# Allegro board RK_EXCAVATOR_MAIN_V12_20161114_FZBFINAL.brd (continued)
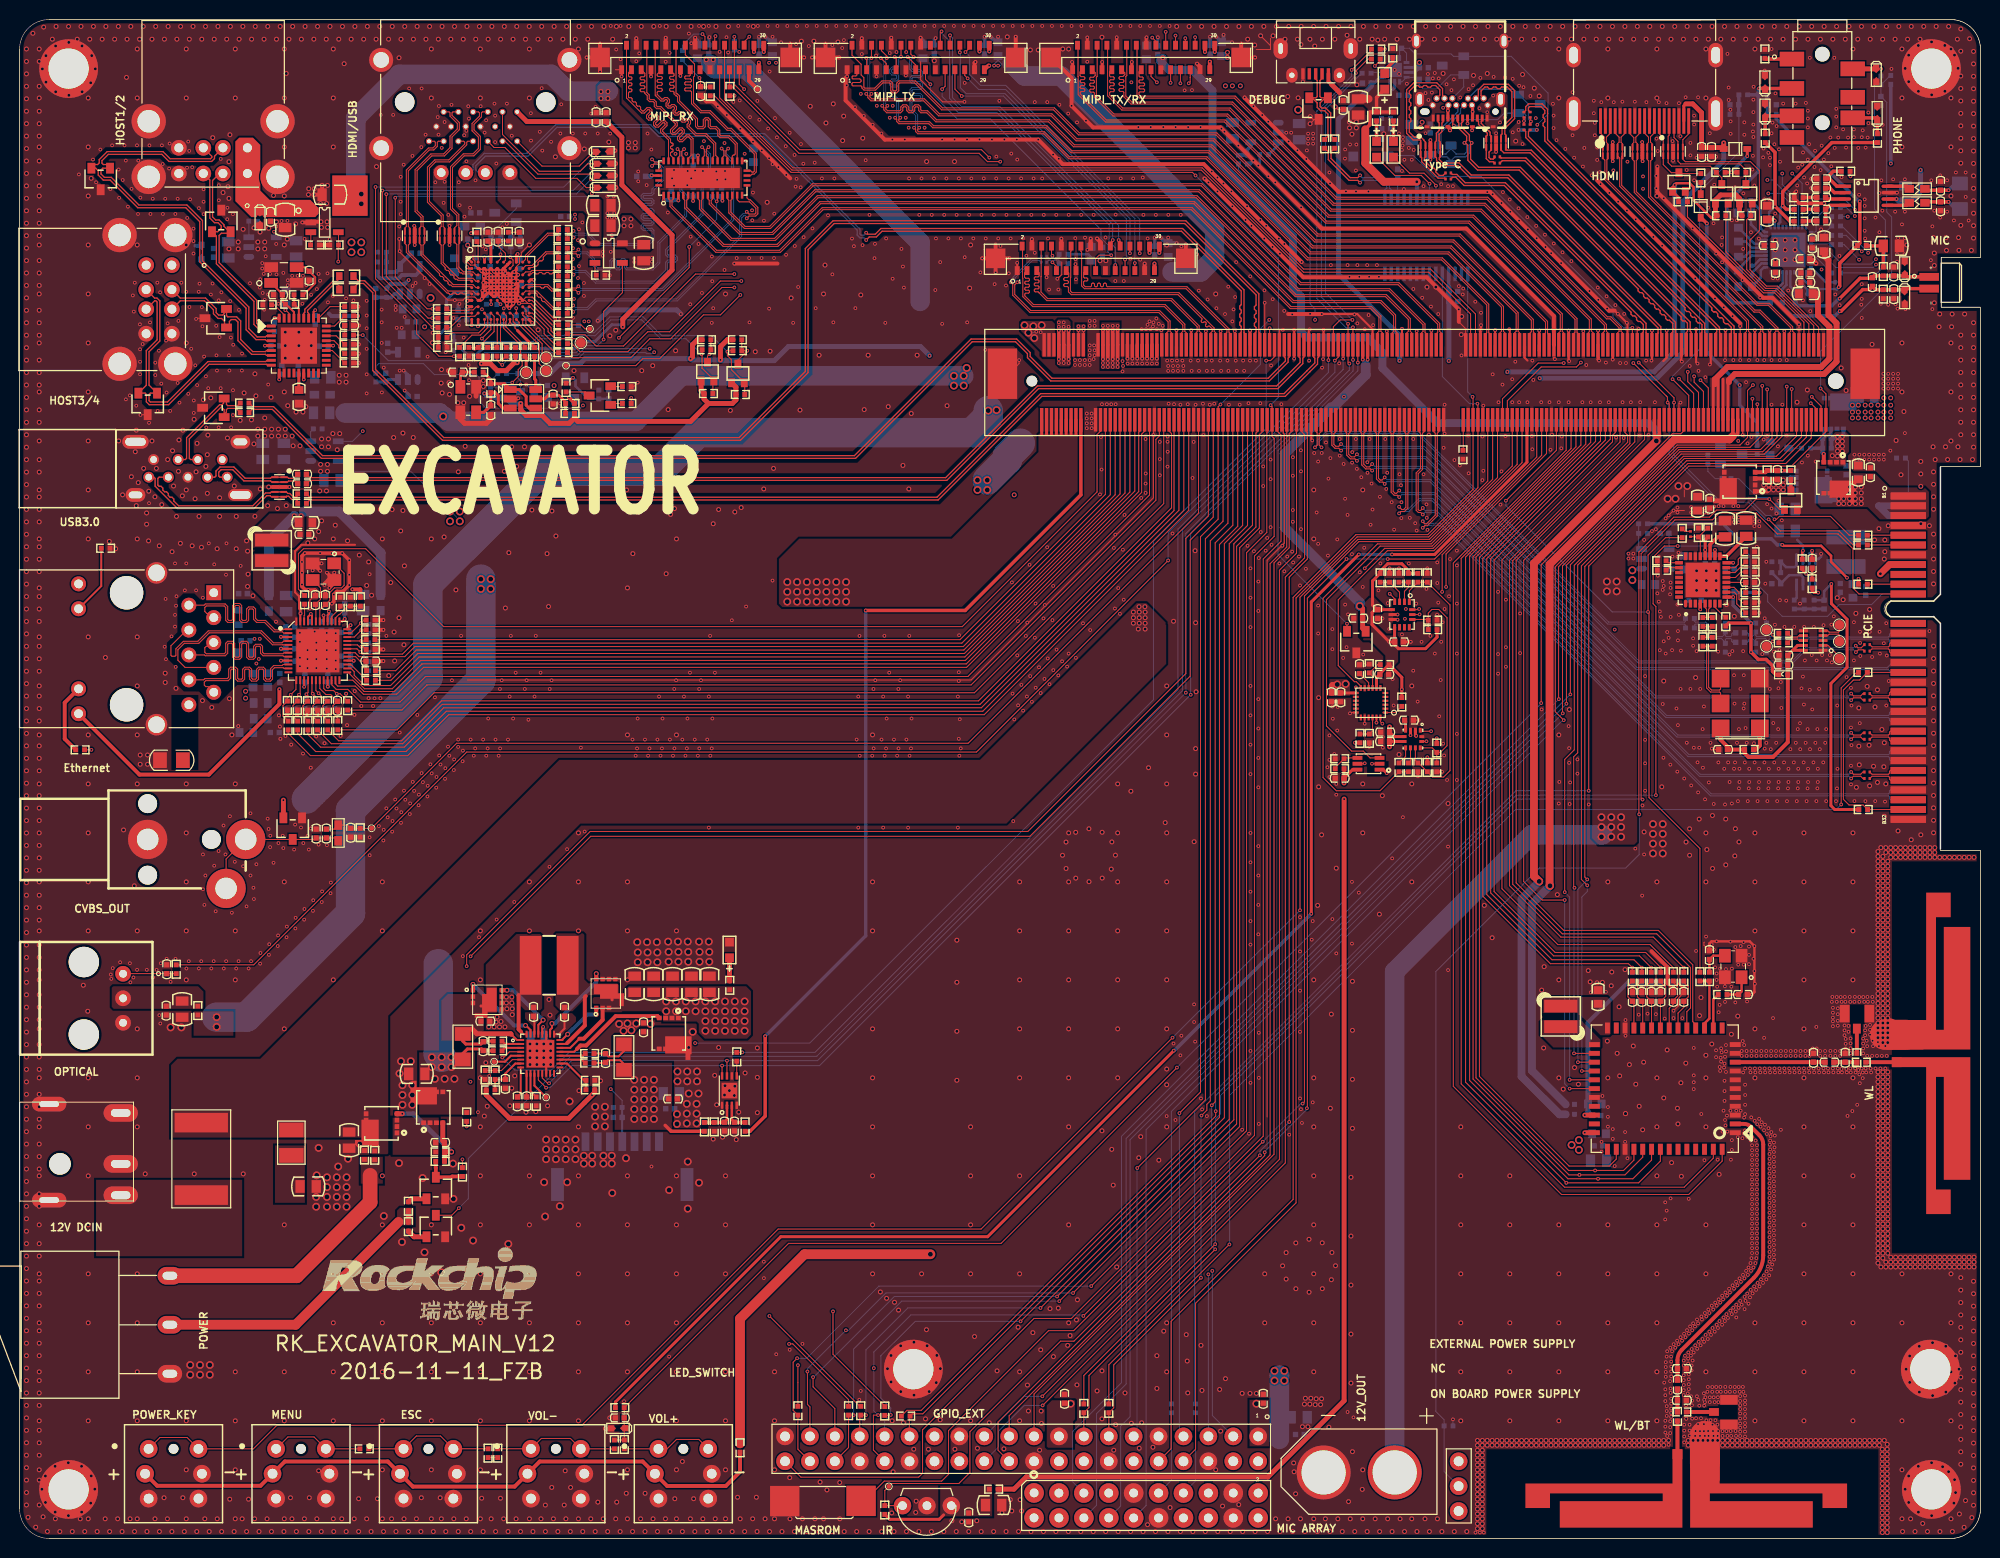
[diagram p0: board, top side]
## Copper pours and planes (outline as drawn; the poured copper is in the pictures) (continued)
VCC5V0_HOST1 on TOP (solid shape): 24.55,142.2 24.55,139.67 24.41,138.95 24.55,138.23 24.55,138.22 24.55,137.55 25.5,136.6 26.95,136.6 27,136.6 27.05,136.6 29.65,136.6 30.5,135.75 30.5,135.2 30.15,134.85 26.02,134.85 26.02,134.85 25.16,134.85 25.16,134.85 24.84,134.85 24.84,135.01 24.2,135.01 24.2,134.85 23.63,134.85 22,136.48 22,142.55 22.4,142.95 23.8,142.95
VCC5V0_HOST2 on BOTTOM: 11.85,129 12.25,128.6 23.1,128.6 24.2,129.7 24.2,130.85 23.9,131.15 17.85,131.15 17.7,131 12.2,131 11.85,130.65
VCC5V0_HOST3 on TOP: 58,131.85 59.2,131.85 59.35,132 59.35,136.55 59.2,136.7 58.15,136.7 57.5,137.35 52.25,137.35 50.8,138.8 50.8,139.75 50.4,140.15 49.35,140.15 48.75,139.55 48.75,136.55 49.85,135.45 57.5,135.45 57.85,135.1 57.85,132
VCC5V0_HOST4 on BOTTOM: 20,110.8 20,109.2 20.2,109 30,109 30.3,109.3 30.3,110.1 30,110.4 29,110.4 28.4,111 20.2,111
VCC5V0_SYS on TOP (solid shape): 35.5,134.97 31.89,134.97 31.89,139.1 35.5,139.1
VCC5V0_SYS on TOP: 110.35,124.1 110.35,119.35 112.2,119.35 112.2,124.1
VCC5V0_SYS on TOP: 60.85,131.75 61.8,131.75 62.1,131.45 64.25,131.45 64.45,131.65 64.45,132.95 62.35,135.05 61.5,135.05 61.4,134.95 61.4,133.3 60.6,132.5 60.6,132
VCC5V0_SYS on TOP: 61.52,143.63 61.52,142.08 62.15,141.45 63,141.45 63.3,141.75 63.3,144.25 61.2,146.35 61.2,147.9 60.5,148.6 59.3,148.6 58.95,148.25 58.95,146.7 59.55,146.1 60.25,146.1 60.4,145.95 60.4,144.75
VCC5V0_SYS on TOP: 17.75,53.8 17.75,51.3 21.8,51.3 21.8,53.8
VCC5V0_SYS on BOTTOM: 33.35,138 33.35,135.35 35.35,135.35 35.35,138
VCC5V0_SYS on BOTTOM: 120.6,151.95 120.6,150.8 121,150.4 123.7,150.4 123.7,151.95
VCC5V0_SYS on BOTTOM: 25.95,129.5 34.25,129.5 35.5,130.75 35.5,132.75 35.1,133.15 33.6,133.15 32.1,131.65 25.8,131.65 25.5,131.35 25.5,129.95
VCC5V0_SYS on BOTTOM: 115,129.9 115,131.3 115.15,131.45 117.65,131.45 118,131.1 118,127.6 112.42,122.03 112.42,122 112.3,121.87 112.3,121.85 112.2,121.75 112.2,118.25 100.2,106.25 74.51,106.25 64.07,95.81 46.94,95.81 45.5,97.25 45.5,98.7 46.4,99.6 55.05,99.6 55.07,99.62 58.43,99.62 69.86,111.05 98.6,111.05 106.92,119.37 109.2,119.37 110.05,120.23 110.05,124.95
VCC5V0_SYS on BOTTOM: 97.75,152 97.75,150.25 98.8,149.2 101.9,149.2 102.7,150 102.7,150.4 101.1,152
VCC5V0_SYS on BOTTOM: 164.05,99.3 164.05,95.9 166.1,95.9 166.1,99.3
VCC5V0_SYS on BOTTOM: 31.9,110.7 31.9,106.5 32.3,106.1 38.9,106.1 41.8,103.2 45.3,103.2 45.8,103.7 45.8,104.9 40,110.7
VCC5V0_SYS on BOTTOM: 122.28,148.64 122.28,144.37 122.69,143.97 126.04,143.97 126.25,144.17 126.25,148.03 125.33,148.95 122.59,148.95
VCC5V0_SYS on BOTTOM: 74.7,151.85 74.7,150.15 77.85,150.15 77.85,151.85
VCC5V0_SYS on BOTTOM: 122.35,8.85 122.35,6.8 122.75,6.4 124.5,6.4 124.95,5.95 124.95,1.35 125.45,0.85 127.4,0.85 129.4,2.85 129.4,8.4 130.45,9.45 130.45,17.05 129.6,17.9 127.45,17.9 127.45,9.55 127.15,9.25 122.75,9.25
VCC5V0_SYS on S1: 129.1,15.35 130,16.25 130,16.8 100.8,46 100.8,107.4 99.5,108.7 96.65,108.7 96.35,108.4 96.35,44.75 125.75,15.35
VCC5V0_SYS on S1: 19.35,54.63 19.35,52.4 19.97,51.78 22.05,51.78 22.05,54.63
VCC5V0_SYS on S1: 35.31,129.04 35.31,117.69 35.33,117.67 35.33,111.69 40.7,106.32 45.2,101.82 45.2,97.3 46.4,96.1 48.2,96.1 48.95,96.85 48.95,103.46 43.85,108.56 43.85,112.15 39.6,116.4 39.6,128.6 36.15,132.05 36.15,136.6 35.1,137.65 34,137.65 33.4,137.05 33.4,130.95
VCC5V0_SYS on S1: 61.8,142.8 61.3,142.3 61.3,133.95 61.5,133.75 62.65,133.75 63,134.1 63,141.4 63.15,141.55 63.15,142.5 62.85,142.8
VCC5V0_SYS on S1: 59.1,146.45 71.1,146.45 73.27,148.63 95.73,148.63 96.1,149 120.3,149 121.5,147.8 140,147.8 142.2,150 153.7,150 155.3,148.4 187.05,148.4 192.85,142.6 192.85,112.5 189.15,108.8 189.15,105.85 186.4,103.1 167.45,103.1 164.1,99.75 164.1,97.5 164.35,97.25 165.75,97.25 166.2,97.7 166.2,99.7 168.35,101.85 186.85,101.85 191.4,106.4 191.4,108.85 194.55,112 194.55,143.5 187.5,150.55 157.35,150.55 156,151.9 122.2,151.9 121.8,152.3 120.4,152.3 118.4,150.3 101.4,150.3 101.2,150.5 92.8,150.5 92.4,150.9 76.75,150.9 75.9,151.75 72.85,151.75 70.2,149.1 70.2,149.05 70.15,149 59.2,149 58.75,148.55 58.75,146.8
VCC18_HDMIIN on BOTTOM: 40.09,124.46 40.09,120.6 40.29,120.4 40.9,120.4 41.82,121.31 41.82,124.16 41.41,124.56 40.19,124.56
VCC33_HDMIIN on BOTTOM: 57.06,116.94 57.06,115.93 56.85,115.72 53.8,115.72 53.5,116.03 53.5,117.96 53.7,118.16 54.52,118.16 55.13,117.55 56.45,117.55
VCC33_HDMIIN on BOTTOM: 44.76,134.52 46.08,134.52 46.29,134.32 46.29,132.89 46.18,132.79 46.18,131.98 45.98,131.78 45.27,131.78 44.56,132.49 44.56,134.32
VCC33_HDMIIN on S1: 45.37,132.38 45.98,132.38 46.49,131.88 46.49,125.88 50.35,122.02 50.35,119.79 50.76,119.38 54.82,119.38 55.63,118.57 55.63,117.25 55.33,116.94 52.89,116.94 51.77,118.06 49.54,118.06 48.93,118.67 48.93,119.99 45.68,123.24 44.76,123.24 44.36,123.65 44.36,131.37
VCC_BATT on TOP: 60.7,48.55 60.7,41.7 66.55,41.7 66.55,48.55
VCC_BATT on BOTTOM: 62.15,39.45 65.85,39.45 66.35,39.95 66.35,47.05 66.1,47.3 62.55,47.3 62.15,46.9
VCC_CHAREG on TOP: 112.8,120.55 112.8,119.65 116.2,119.65 116.2,120.55
VCC_CHAREG on TOP: 40.75,49.6 40.75,43.25 46.45,43.25 46.45,49.6
VCC_CHAREG on BOTTOM: 41.85,46.2 40.75,47.3 40.75,48.9 38.2,51.45 38.2,68.9 40.75,71.45 40.75,71.5 75.2,105.95 102.65,105.95 112.8,116.1 112.85,116.15 112.85,120.65 112.9,120.7 116.55,120.7 116.85,120.4 116.85,111.2 116.7,111.05 104.45,98.8 76.85,98.8 45.45,67.4 45.45,56.15 46.25,55.35 46.25,46.95 45.5,46.2
VCC_DC on TOP: 15.45,40.9 15.45,48.3 16.1,48.95 24.55,48.95 55.05,79.45 97.95,79.45 113.95,95.45 114.92,95.45 116.9,93.47 116.9,93.37 116.89,93.36 116.89,93.26 116.95,93.2 116.95,89.25 115.85,88.15 100.65,72.95 57.2,72.95 37.6,53.35 37.6,39.3 37.5,39.2 35.95,39.2 35.85,39.3 35.85,40.55 35.5,40.9
VCC_DC on BOTTOM: 183.65,116.7 183.65,114.15 191.2,114.15 191.2,116.7
VCC_DC on S1: 113.7,92.55 112.8,93.45 112.8,104.05 124.9,116.15 147.8,116.15 149.05,114.9 182.25,114.9 184.1,116.75 191.1,116.75 191.35,116.5 191.35,112.88 189.47,111 186.9,111 186.7,110.8 186.7,109.8 186.2,109.3 147.7,109.3 144.61,112.39 130.79,112.39 119.2,100.8 119.2,93.3 118.45,92.55
VCC_SYS on TOP: 107.95,112.75 104,112.75 103.92,112.68 103.92,110.87 95.07,102.02 79.52,102.02 77.45,99.95 77.45,95.4 77.8,95.05 81.75,95.05 81.77,95.07 96.13,95.07 107.95,106.9
VCC_SYS on TOP: 58.55,55.25 61.55,55.25 61.75,55.45 61.75,55.95 62.15,56.35 74.1,56.35 74.6,55.85 74.6,51.4 74.2,51 69.9,51 69.27,51.62 69.27,52.52 69.05,52.75 65.65,52.75 65.65,53.55 65.4,53.8 61.5,53.8 61.4,53.7 59.4,53.7 59.2,53.9 59.2,54.45 59.1,54.55 58.55,54.55 58.45,54.65 58.45,55.1 58.55,55.2
VCC_SYS on BOTTOM: 65.4,53.6 65.85,53.15 68.35,53.15 70.27,51.22 74.97,51.22 85.1,61.35 85.1,97.75 84.7,98.15 77.61,98.15 71.25,91.79 71.25,58.2 70.85,57.8 65.4,57.8
VCCA1V8_CODEC on TOP: 173.6,118.55 173.6,115.55 174.5,115.55 174.5,118.55
VCCA1V8_CODEC on TOP: 179.7,128.4 179.7,129.5 179.65,129.55 178.65,129.55 178.3,129.9 178.3,132.7 178.6,133 181.3,133 181.55,132.75 181.55,131.65 182.2,131 182.2,130 182.35,129.85 184.1,129.85 185,130.75 185,131.5 184.4,132.1 182.45,132.1 182.3,132.25 182.3,133.4 181.85,133.85 178.15,133.85 177,132.7 177,129.4 178.2,128.2 179.5,128.2
VCCA3V0_CODEC on TOP: 172.4,118.45 172.4,115.55 173.45,115.55 173.45,118.45
VCCA3V0_CODEC on TOP: 183.05,129.5 184.05,128.5 184.05,126.3 183.85,126.1 182.6,126.1 182.45,126.25 182.45,128.25 182.15,128.55 182.15,129.4 182.25,129.5
VCCA33_PLL on BOTTOM: 174.5,99.55 174,100.05 171.6,100.05 171.4,99.85 171.4,99.65 170.65,98.9 170.65,96.4 170.6,96.35 169.95,96.35 169.55,96.75 169.55,97.9 169.35,98.1 167.7,98.1 167.52,98.27 167.52,99.28 167.7,99.45 170.1,99.45 170.4,99.75 170.4,100 171.75,101.35 175.05,101.35 175.55,100.85 175.55,95.95 175.4,95.8 174.55,95.8 174.5,95.85
VCCA33_PLL2 on BOTTOM: 169.8,96.2 169.8,94.65 172.05,94.65 172.05,96.2
VDD1V0_RGMII on TOP: 23.75,102.85 23.75,101.1 28,101.1 29.05,102.15 29.05,104.45 28.9,104.6 25.5,104.6
VDD1V0_RGMII on BOTTOM: 27.4,104.5 27.4,103.65 29.05,103.65 29.05,105.25 28.15,105.25
VDD12_HDMIIN on BOTTOM: 48.45,130.15 48.9,129.7 50.3,129.7 50.65,130.05 51.55,130.05 51.68,129.92 51.68,126.88 52.4,126.15 52.4,125.2 52.05,124.85 51.1,124.85 51.1,123.85 50.5,123.25 46.6,123.25 46.3,123.55 46.3,123.9 45.9,124.3 45.9,125.8 45.8,125.9 45.35,125.9 45.25,125.8 45.25,123.5 46.33,122.43 51.46,122.43 52.89,123.85 52.89,124.24 53.5,124.85 53.5,129.6 51.8,131.3 50.85,131.3 50.45,130.9 50.45,130.6 50.35,130.5 49.15,130.5 48.5,131.15 46.5,131.15 46.08,131.57 45.27,131.57 45.09,131.75 43.55,131.75 43.53,131.77 42.64,131.77 42.63,131.78 40.8,131.78 40.39,131.37 40.39,129.44 40.6,129.24 42.43,129.24 43.24,130.05 45.07,130.05 45.17,130.15
VDDIO_WL on BOTTOM: 158.25,45.05 158.25,42.6 160.65,42.6 160.65,45.05
(no net) on TOP: 23.63,134.85 30.15,134.85 30.5,135.2 30.5,135.75 29.65,136.6 25.5,136.6 24.55,137.55 24.55,142.2 23.8,142.95 22.4,142.95 22,142.55 22,136.48
(no net) on TOP: 31.89,139.1 31.89,134.97 35.5,134.97 35.5,139.1
HUB_3V3 on BOTTOM: 25.7,123.8 28.95,123.8 29.65,124.5 30.45,124.5 31.15,123.8 31.15,121.4 31.65,120.9 32.05,120.9 32.3,121.15 32.3,124.55 31.05,125.8 28.75,125.8 27.65,124.7 25.2,124.7 24.3,123.8 24.3,119.65 25.9,118.05 28.8,118.05 29.3,117.55 29.3,116.25 29.55,116 30.6,116 30.7,116.1 30.7,119 30.5,119.2 26.4,119.2 25.95,119.65 25.95,122.05 25.35,122.65 25.35,123.45
PCIE_3V3 on BOTTOM: 189.4,98.8 194.55,98.8 194.6,98.75 194.6,97.1 194.45,96.95 183.8,96.95 183.8,99.72 184.16,100.08 188.12,100.08
PCIE_12V on TOP: 183.45,108.95 183.45,105.55 183.75,105.25 188.5,105.25 189.75,104 194.45,104 194.75,104.3 194.75,106.8 194.3,107.25 190.7,107.25 189.25,108.7 187,108.7 186.75,108.95
PCIE_12V on BOTTOM: 182.15,109.45 182.15,106.55 181.9,106.3 180.7,106.3 180.47,106.07 180.4,106.07 180.4,104.4 180.43,104.37 180.43,101.87 181.62,100.69 181.62,99.47 181.72,99.36 182.02,99.36 182.02,101.6 182.08,101.65 182.08,101.95 183.75,103.63 187.92,103.63 188.88,104.6 190.15,104.6 190.4,104.85 190.4,107.1 188.6,108.9 185.25,108.9 184.7,109.45
REGOUT on TOP: 28.15,93.15 27.95,93.35 27.35,93.35 23.8,96.9 23.8,100.35 24,100.55 27.45,100.55 27.6,100.4 27.6,96.1 28.25,95.45 28.25,94.15 28.35,94.05 28.35,93.15
N14684912 on TOP: 7.8,36.6 7.8,28.8 22.7,28.8 22.7,36.6
N14685622 on TOP: 26.05,40.1 26.05,34.25 29.1,34.25 29.1,40.1
N14787285 on TOP: 18.75,55.8 18.2,56.35 9.55,56.35 9.4,56.2 9.4,54.25 9.6,54.05 18.6,54.05 18.75,54.2
N14851345 on TOP: 38.05,42.95 38.05,39.15 42.75,39.15 42.75,42.95
N14855408 on TOP: 34.8,38.95 34.8,36.2 37.05,36.2 37.05,38.95
N14863419 on TOP: 60.55,51.2 60.55,49.65 67.75,49.65 67.75,52.15 64.75,52.15 64.65,52.05 63.35,52.05 62.7,51.4 60.75,51.4
N15005917 on TOP: 161.25,50.15 161.25,50.9 159.25,52.9 155.35,52.9 155.15,52.7 155.15,51.4 156.45,50.1 161.2,50.1
N15006595 on TOP: 162.3,51.5 162.3,54.9 161.95,55.25 155.55,55.25 155.35,55.05 155.35,53.55 155.5,53.4 159.2,53.4 161.25,51.35 162.15,51.35
N15006749 on TOP (solid shape): 198.97,36.6 196.27,36.6 196.27,47.1 195.47,47.1 195.47,35.6 196.97,35.6 196.97,33.1 194.47,33.1 194.47,48.1 190.97,48.1 190.97,49.1 198.97,49.1
N15007245 on TOP (solid shape): 169.6,1.1 157.1,1.1 157.1,3.8 167.6,3.8 167.6,4.6 156.1,4.6 156.1,3.1 153.6,3.1 153.6,5.6 168.6,5.6 168.6,9.1 169.6,9.1
N15016224 on TOP: 184.5,112.2 184.5,109.4 186.3,109.4 186.3,110.6 186.6,110.9 186.6,112.6 186.3,112.9 185.2,112.9
N15016224 on BOTTOM: 184.5,113.5 186.3,113.5 186.4,113.4 186.4,110.4 186.2,110.2 184.6,110.2 184.4,110.4 184.4,113.4
N15017275 on TOP: 176.4,108.4 176.4,106.5 180.2,106.5 180.2,108.4
N15017275 on BOTTOM: 177.6,108.5 177.6,106.8 179,106.8 179.2,106.6 181.5,106.6 181.7,106.8 181.7,108.5
N15067353 on TOP: 93.9,5.35 93.9,2.25 99.2,2.25 99.2,5.35
N15083301 on TOP: 38.5,33.45 38.5,31.95 40.2,31.95 40.2,33.75 38.8,33.75
N16735818 on BOTTOM: 182.43,99.36 182.43,101.9 183.55,103.02 188.22,103.02 188.42,102.82 188.42,101.6 188.32,101.5 184.46,101.5 183.95,100.99 183.24,100.99 182.74,100.48 182.74,99.47 182.63,99.36
N58904798 on BOTTOM: 18.7,97.9 18.7,95.4 21.15,95.4 21.6,94.95 21.6,94.35 21.7,94.25 22.7,94.25 22.75,94.3 22.75,97.9
N62644273 on TOP: 43,54.85 43,50.8 46.3,50.8 47.35,51.85 47.35,56.2 47.25,56.3 46.8,56.3 46.7,56.2 46.7,55.6 46.65,55.55 43.7,55.55
N62644729 on TOP: 50.68,61.68 47.55,58.55 47.55,53.65 47.6,53.6 48.6,53.6 48.7,53.7 48.7,56.3 48.9,56.5 50.1,56.5 50.65,55.95 50.65,54.8 51.55,53.9 53.1,53.9 53.3,54.1 53.3,61.45 53.08,61.68
N62644900 on TOP: 54.75,61.75 57.45,61.75 57.6,61.6 57.6,57.05 58,56.65 60.95,56.65 61.15,56.45 61.15,55.55 61.05,55.45 58.05,55.45 56.4,53.8 55.25,53.8 54.65,54.4 54.65,61.65
N62645124 on TOP: 52.85,53.7 53,53.55 53,52.75 52.45,52.2 52.4,52.2 51.55,53.05 51.55,53.65 51.6,53.7
N62645126 on TOP: 55.15,53.6 56.35,53.6 56.75,53.2 56.75,52.75 55.1,51.1 54.45,51.1 54.4,51.15 54.4,51.8 54.85,52.25 54.85,53.3
N66050507 on BOTTOM: 46.5,135.9 46.5,133.35 47.4,133.35 47.95,133.9 48.05,133.9 49.2,135.05 49.2,135.7 49,135.9

Small or netless copper shapes (teardrops, artwork), in the pictures only: 2 on TOP, 1 on BOTTOM

## Text on the board
Ref Des/Silkscreen Bottom: VBAT | SPEAKER
Ref Des/Silkscreen Top: HOST3/4 | 12V DCIN | OPTICAL | USB3.0 | Ethernet | CVBS_OUT | POWER_KEY | MENU | ESC | VOL- | VOL+ | MIPI_RX | LED_SWITCH | MASROM | MIPI_TX | IR | GPIO_EXT | MIPI_TX/RX | DEBUG | MIC ARRAY | Type C | EXTERNAL POWER SUPPLY | NC | ON BOARD POWER SUPPLY | HDMI | WL/BT | MIC | HOST1/2 | POWER | HDMI/USB | 12V_OUT | PCIE | WL | PHONE | RK_EXCAVATOR_MAIN_V12 | 2016-11-11_FZB | EXCAVATOR
User.11: FIGURE | SIZE | 7.87 | 7.874 | 11.811 | 15.748 | 19.689 | 21.65 | 27.559 | 31.496 | 35.039 | 35.429 | 35.433 | 36.22 | 39.37 | 62.988 | 66.929 | 86.61 | 86.614 | 90.551 | 133.858 | 161.417 | 177.165 | 25.591 | 43.307 | 59.059 | 62.992 | 75.858 | 78.74 | 122.047 | 42.996x19.0 | 43.299x17.709 | 55.118x27.559 | 59.055x31.496 | 66.929x35.433 | 78.74x23.618 | 78.74x31.488 | 82.677x31.496 | 106.299x35.433 | 37.008x25.0 | DRILL CHART: TOP to BOTTOM | ALL UNITS ARE IN MILS | PLATED | NON-PLATED | QTY | 7 | 3391 | 53 | 2575 | 19 | 12 | 282 | 2 | 9 | 3 | 4 | 20 | 14 | 16 | 73 | 1 | 8 | 6 | 5
